# Altium PCB BLE_Gamepad_PCB.PcbDoc (part 1 of 2) (continued)
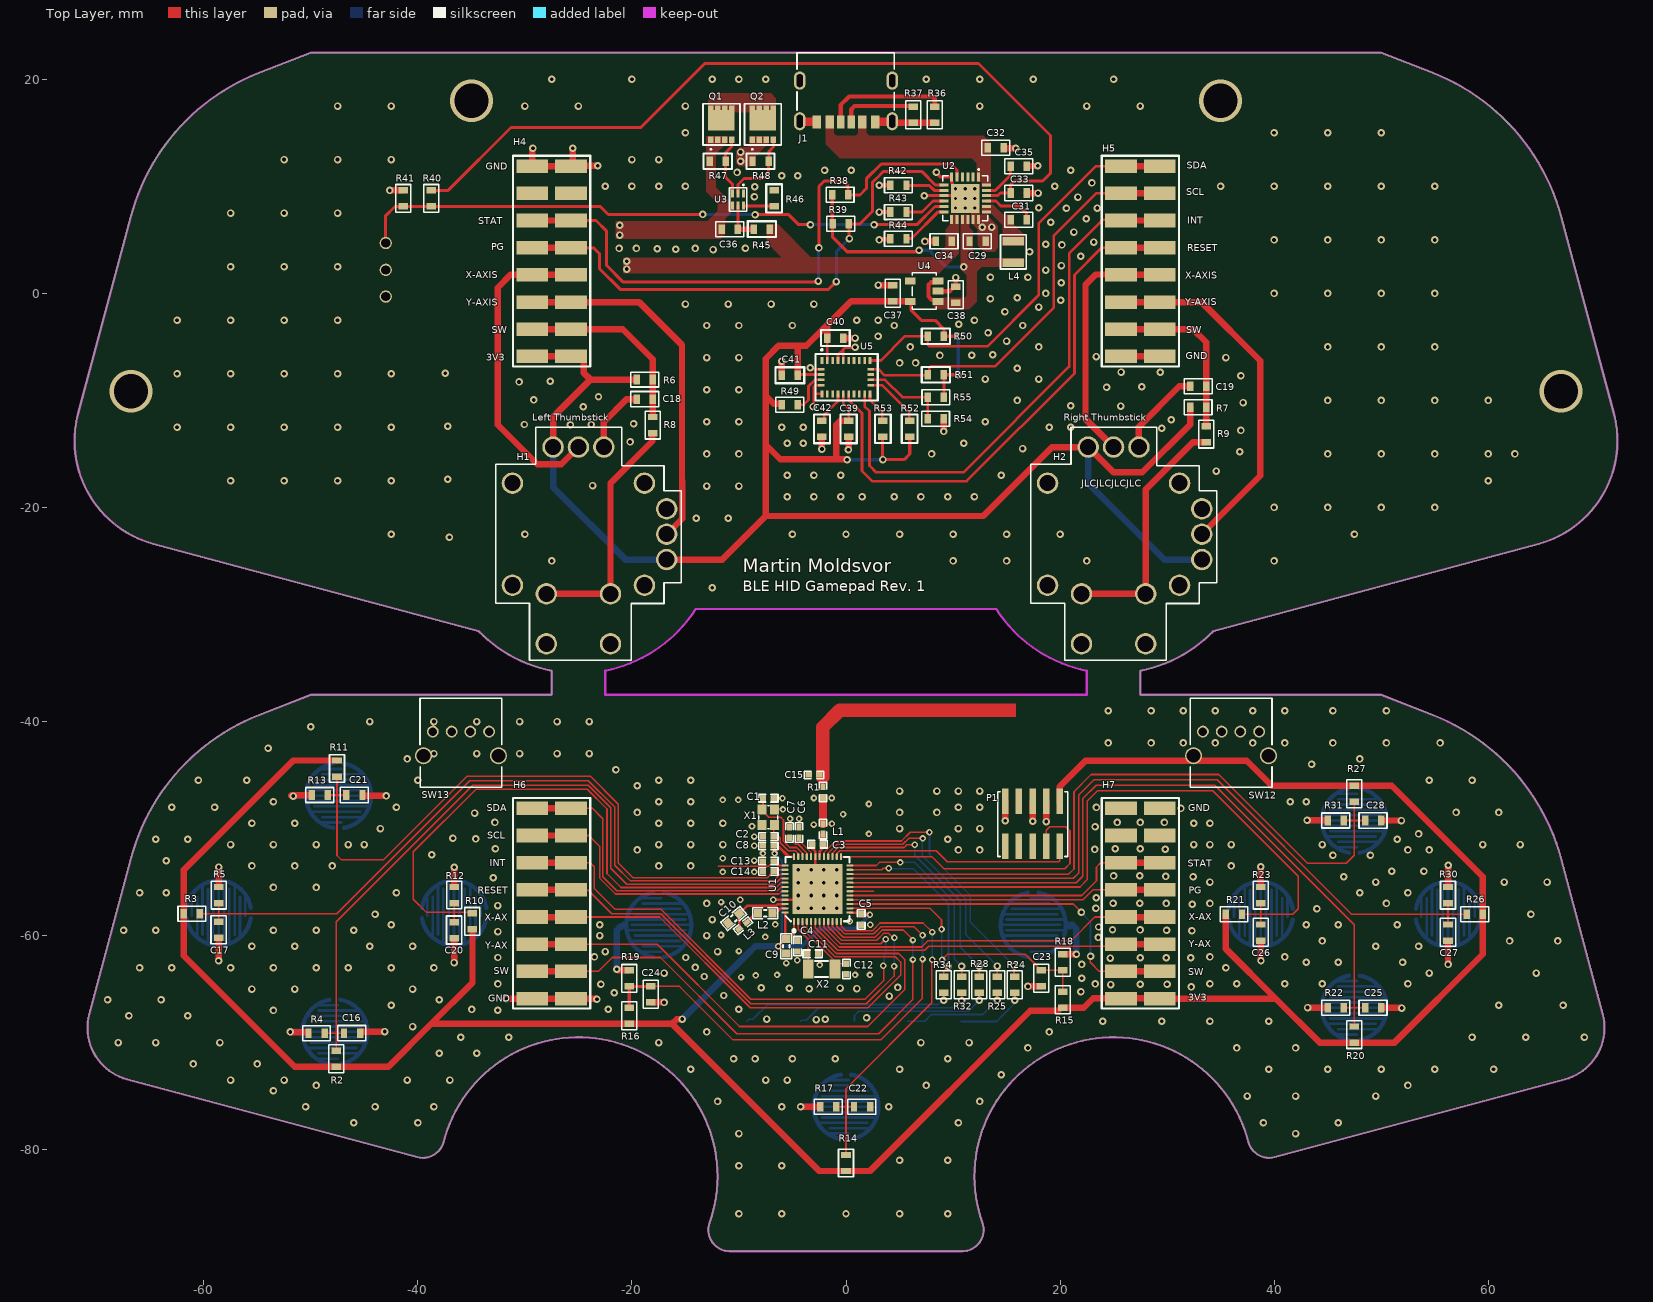
[diagram p0: Top Layer view]
## Footprints (in the part's own frame and the unit in brackets; to place one, negate y for a bottom-side part, rotate by r counter-clockwise, add the part's x,y. Pads: shape width x height; smd on the part's side, far side on the other; paste and mask are expansions set on the pad) (continued)
INDC1608X06L [mm] "Chip Inductor, 2-Leads, Body 1.6x0.8mm, IPC High Density"
  rect 0.75x0.8 smd: 1(-0.675,0) 2(0.675,0)
  silkscreen extent -1.18,-0.5 1.17,0.5, body extent -0.8,-0.48 0.8,0.47, height 0.8
"JTAG 10 pin SMD" [mm]
  rect 2.4x0.6 smd: 1(0,0) 2(0,-1.27) 3(0,-2.54) 4(0,-3.81) 5(0,-5.08) 6(4.2,-5.08) 7(4.2,-3.81) 8(4.2,-2.54) 9(4.2,-1.27) 10(4.2,0)
  silkscreen extent -0.95,-5.82 5.1,0.72, body extent -0.85,-5.72 5,0.63, height 6.13
MIC5504 [mm]
  rect 0.66x1 smd: 1(1.9,0) 2(0.95,0) 3(0,0) 4(0,-2.6) 5(1.9,-2.6)
  silkscreen extent -0.75,-2.43 2.65,-0.18, body extent -0.6,-2.9 2.5,0.3, height 1.45
"Molex Header 3" [mm]
  round 1.15 hole 0.85 mask+0.102: 1(0,0) 2(2.5,0) 3(5,0)
  silkscreen extent -2.51,-6.71 7.52,1.37, body extent -2.45,-6.6 7.45,1.3, height 4.91
QFN40P600X600X90-48N [mm] "QFN, 48-Leads, Body 6,0x6,0mm (max), Pitch 0,40mm, IPC Medium Density"
  oval 0.65x0.2 smd: 1(-3.025,2.2) 2(-3.025,1.8) 3(-3.025,1.4) 4(-3.025,1) 5(-3.025,0.6) 6(-3.025,0.2) 7(-3.025,-0.2) 8(-3.025,-0.6) 9(-3.025,-1) 10(-3.025,-1.4) 11(-3.025,-1.8) 12(-3.025,-2.2) 25(3.025,-2.2) 26(3.025,-1.8) 27(3.025,-1.4) 28(3.025,-1) 29(3.025,-0.6) 30(3.025,-0.2) 31(3.025,0.2) 32(3.025,0.6) 33(3.025,1) 34(3.025,1.4) 35(3.025,1.8) 36(3.025,2.2)
  oval 0.2x0.65 smd: 13(-2.2,-3.025) 14(-1.8,-3.025) 15(-1.4,-3.025) 16(-1,-3.025) 17(-0.6,-3.025) 18(-0.2,-3.025) 19(0.2,-3.025) 20(0.6,-3.025) 21(1,-3.025) 22(1.4,-3.025) 23(1.8,-3.025) 24(2.2,-3.025) 37(2.2,3.025) 38(1.8,3.025) 39(1.4,3.025) 40(1,3.025) 41(0.6,3.025) 42(0.2,3.025) 43(-0.2,3.025) 44(-0.6,3.025) 45(-1,3.025) 46(-1.4,3.025) 47(-1.8,3.025) 48(-2.2,3.025)
  rect 4.7x4.7 smd: 49(0,0)
  silkscreen extent -4.02,-3 3,3, body extent -3.02,-3.02 3.02,3.02, height 0.86
"SMD Header Female" [mm]
  rect 1.27x2.96 smd: 1(-8.89,-1.8) 1(-8.89,1.8) 2(-6.35,-1.8) 2(-6.35,1.8) 3(-3.81,-1.8) 3(-3.81,1.8) 4(-1.27,1.8) 4(-1.27,-1.8) 5(1.27,1.8) 5(1.27,-1.8) 6(3.81,-1.8) 6(3.81,1.8) 7(6.35,-1.8) 7(6.35,1.8) 8(8.89,-1.8) 8(8.89,1.8)
  silkscreen extent -9.83,-3.61 9.86,3.61, body extent -10.11,-2.24 10.21,2.34, height 7.51
"SMD Header Male" [mm]
  rect 1.27x2.96 smd: 1(-8.89,-1.8) 1(-8.89,1.8) 2(-6.35,-1.8) 2(-6.35,1.8) 3(-3.81,-1.8) 3(-3.81,1.8) 4(-1.27,1.8) 4(-1.27,-1.8) 5(1.27,1.8) 5(1.27,-1.8) 6(3.81,-1.8) 6(3.81,1.8) 7(6.35,-1.8) 7(6.35,1.8) 8(8.89,-1.8) 8(8.89,1.8)
  silkscreen extent -9.83,-3.61 9.86,3.61, body extent -10.2,-2.64 10.12,2.64, height 9.66
SRP2510A [mm]
  rect 0.8x2 smd: 1(0,0) 2(2,0)
  silkscreen extent -0.6,-1.2 2.6,1.2, body extent -0.29,-1.04 2.29,1.05, height 0.97
"Thumbstick 2" [mm]
  round 2 hole 1.5: 1(-2.37,8.14) 1(8.245,-2.37) 2(0,8.14) 3(8.245,0) 4(-3,-5.57) 4(3,-5.57) 5(-6.165,-4.77) 5(-6.165,4.77) 5(-3,-10.24) 5(2.37,8.14) 5(3,-10.24) 5(6.165,-4.77) 5(6.165,4.77) 5(8.245,2.37)
  silkscreen extent -7.73,-11.78 9.62,10.01, body extent -7.57,-11.65 9.7,9.63, height 19.46
TL2243 [mm]
  round 1.1 hole 0.8: 1(-2.625,-2.26) 2(-0.875,-2.26) 3(0.875,-2.26) 4(2.625,-2.26)
  round 1.6 hole 1.3: SHIELD(-3.5,0) SHIELD(3.5,0)
  silkscreen extent -3.83,-5.38 3.83,2.93, body extent -4.17,-9.06 4.17,2.75, height 9.62
USB4125 [mm]
  rect 0.7x1.2 smd: A5(-0.5,0) B5(0.5,0)
  rect 0.76x1.2 smd: A9(1.52,0) B9(-1.52,0)
  rect 0.8x1.2 smd: A12(2.75,0) B12(-2.75,0)
  oval 1.1x1.7 hole 1.2 slot 0.6 at 0 deg: SHIELD(-4.32,-0.08) SHIELD(-4.32,-3.88) SHIELD(4.32,-0.08) SHIELD(4.32,-3.88)
  silkscreen extent -4.52,-6.5 4.57,-1.12, body extent -4.44,-6.43 4.49,0.48, height 3.17
XTAL_3215 [mm] "XTAL SMD 3.2 x 1.5 mm"
  rect 1x1.8 smd: 1(-1.25,0) 2(1.25,0)
  silkscreen extent -0.6,-0.75 0.6,0.75, body extent -1.6,-0.75 1.6,0.75, height 0.81

## Part data
C1 C2 C11 C12 C13 C14: library part C0402-12p, "Capacitor, NP0, ±2%", Artikkelnr Noca=20029159, Artikkelnr Simpro=N.A., Footprint Doc=0402, LatestRevisionDate=2011-05-11, Note=50V, Part Number=C0402-12p, Pin Count=2, Published=2009-05-08, Publisher="Nordic Semiconductor"
C3: library part C0402-0.8p, "Capacitor, NP0, ±5%", Artikkelnr Noca=20029147, Artikkelnr Simpro=N.A., Footprint Doc=0402, LatestRevisionDate=2012-11-21, Note=50V, Part Number=C0402-0.8p, Pin Count=2, Published=2009-05-08, Publisher="Nordic Semiconductor"
C4 C5 C8: library part C0402-100n, "Capacitor, X7R, ±10%", Artikkelnr Noca=20039200, Artikkelnr Simpro=N.A., Footprint Doc=0402, LatestRevisionDate=2009-11-23, Note=16V, Part Number=C0402-100n, Pin Count=2, Published=2009-05-08, Publisher="Nordic Semiconductor"
C6: library part C0402-N.C., "Not mounted", Artikkelnr Noca=N.A., Artikkelnr Simpro=N.A., Footprint Doc=0402, LatestRevisionDate=2009-05-08, Note="Chip Cap", Part Number=C0402-N.C., Pin Count=2, Published=2009-05-08, Publisher="Nordic Semiconductor"
C7: library part C0402-100p, "Capacitor, NP0, ±5%", Artikkelnr Noca=20029135, Artikkelnr Simpro=N.A., Footprint Doc=0402, LatestRevisionDate=2009-05-08, Note=50V, Part Number=C0402-100p, Pin Count=2, Published=2009-05-08, Publisher="Nordic Semiconductor"
C9: library part C0603-4µ7, "Capacitor, X5R, ±10%", Artikkelnr Noca=20069060, Artikkelnr Simpro=N.A., Footprint Doc=0603, LatestRevisionDate=2009-11-23, Note=6.3V, Part Number=C0603-4µ7, Pin Count=2, Published=2009-05-08, Publisher="Nordic Semiconductor"
C10: library part C0603-1µ0, "Capacitor, X7R, ±10%", Artikkelnr Noca=20039335, Artikkelnr Simpro=N.A., Footprint Doc=0603, LatestRevisionDate=2013-06-05, Note=16V, Part Number=C0603-1µ0, Pin Count=2, Published=2009-05-08, Publisher="Nordic Semiconductor"
C15 C16 C17 C20 C21 C22 C23 C24 C25 C26 C27 C28 C29 C31 C32 C33 C34 C35 C36 C37 C38 C39 C40 C41 C42: library part Capacitor
H1 H2: library part Thumbstick
H3: "Header 2.5mm SPOX,  WTB,  RA,  F/lock,  3w", Color=Natural, Contact Resistance=20mR, Current Rating=3A, Flammability Rating="UL94 V-0", Insulation Resistance=1GR, Manufacturer 1=Molex, Max Operating Temperature=105°C, Max Voltage Rating (AC)=250V, Max Voltage Rating (DC)=250.25kV, Min Operating Temperature=-40°C, Package Quantity=20000, Supplier Part Number 1=WM18901-ND, Test Voltage=1kV, Category="Headers and Wire Housings", ComponentLink1Description=https://datasheet.ciiva.com/30128/225440022057035-pcb-headers-30128301.pdf?src-supplier=Onlinecomponents.com, ComponentLink1URL=https://datasheet.ciiva.com/30128/225440022057035-pcb-headers-30128301.pdf?src-supplier=Onlinecomponents.com, ComponentLink2Description=https://datasheet.ciiva.com/11746/0900766b80da772d-11746287.pdf?src-supplier=RSComponents, ComponentLink2URL=https://datasheet.ciiva.com/11746/0900766b80da772d-11746287.pdf?src-supplier=RSComponents, ComponentLink3Description=https://datasheet.ciiva.com/5153/0022057035-pcb-headers-158546-5153221.pdf?src-supplier=Mouser, ComponentLink3URL=https://datasheet.ciiva.com/5153/0022057035-pcb-headers-158546-5153221.pdf?src-supplier=Mouser, ComponentLink4Description=https://datasheet.ciiva.com/19461/1965939-19461711.pdf?src-supplier=Jameco, ComponentLink4URL=https://datasheet.ciiva.com/19461/1965939-19461711.pdf?src-supplier=Jameco, ComponentLink5Description=https://datasheet.ciiva.com/7167/1869086-7167685.pdf?src-supplier=Newark, ComponentLink5URL=https://datasheet.ciiva.com/7167/1869086-7167685.pdf?src-supplier=Newark, Connector Type=Header, Contact Finish - Mating=TIN, Contact Gender=Male, Contact Material=Brass, Contact Plating=Tin,Copper, Contact Shape=Circular, Contact Type="Male Pin", Depth=7.9mm, Fastening Type=Detent, Gender=Male, Glow Wire Compliant=Non-compliant, Height=4.9mm, Housing Color=Natural, Housing Material=Nylon, Insulation Color=Natural, Insulation Material=Nylon, Lead Free="Lead Free", Length=9.9mm, Manufacturer Part Number 1=22-05-7035, Max Current Rating=3A, Mount="Through Hole", Number of Circuits=3, Number of Contacts=3, Number of Poles=3, Number of Positions=3, Number of Rows=1, Orientation="Right Angle", Packaging=Bulk, Pitch=2.5mm, Pricing 1="1=0.26000, 10=0.20600, 100=0.14770, 1000=0.11562, 5000=0.10278, 10000=0.09314 (USD)", Radiation Hardening=No, REACH SVHC=Unknown, RoHS=Yes, RoHS Compliant=Yes, Series="Mini-SPOX 5268", Shrouded="Yes (With)", Stock 1=4209, Supplier 1=Digi-Key, Termination=Solder, Voltage Rating=250V, Voltage Rating (DC)=250V
J1: "Conn Rcp USB2.0 Typ C 24P SMD Ra", Manufacturer 1=GCT, Supplier Part Number 1=2073-USB4125-GF-ACT-ND, Manufacturer Part Number 1=USB4125-GF-A, Supplier 1=Digi-Key
L1: library part L0402-3n9, "High frequency chip inductor ±5%", Manufacturer=Murata, Manufacturer Part Number=LQP15MN3N9B02D, Supplier part number=490-1131-1-ND, Artikkelnr Noca=33029151, Artikkelnr Simpro=N.A., Datasheet=http://search.murata.co.jp/Ceramy/image/img/PDF/ENG/L0075S0084LQP15M.pdf, Footprint Doc=0402, LatestRevisionDate=2012-09-19, Note="High frequency chip inductor ±5%", Part Number=L0402-3n9, Pin Count=2, Published=2009-05-08, Publisher="Nordic Semiconductor", Supplier=Digi-Key
L2: library part L0603-10µ, "Chip inductor, IDC,min = 50 mA, ±20%", 2nd source part number=178-6105, Manufacturer="Taiyo Yuden", Manufacturer Part Number=LBMF1608T100K, Supplier part number=587-1714-1-ND, 2nd source Supplier=Farnell, Artikkelnr Noca=33029314, Artikkelnr Simpro=N.A., Datasheet=http://www.yuden.co.jp/ut/product/pdf/elb2_e.pdf, Footprint Doc=0603, LatestRevisionDate=2012-09-19, Note="LBMF1608T100K 10µH 80mA 0603", Part Number=L0603-10µ, Pin Count=2, Published=2010-02-24, Publisher="Nordic Semiconductor", Supplier=Digi-Key
L3: library part L0402-15n, "High frequency chip inductor ±10%", 2nd source part number=658-1328, Manufacturer="Taiyo Yuden", Manufacturer Part Number=HK100515NJ-T, Supplier part number=587-1521-1-ND, 2nd source Supplier=Farnell, Artikkelnr Noca=33029323, Artikkelnr Simpro=N.A., Datasheet=http://www.yuden.co.jp/productdata/catalog/en/mlci04_e.pdf, Footprint Doc=0402, LatestRevisionDate=2012-09-19, Note="High frequency chip inductor ±10%", Part Number=L0402-15n, Pin Count=2, Published=2010-07-12, Publisher="Nordic Semiconductor", Supplier=Digi-Key
L4: library part SRP2510A-1R0M, "BOURNS - SRP2510A-1R0M - INDUCTOR, 1UH, 3A, 20%, SHIELDED", Case Code (Imperial)=1008, Case Code (Metric)=2520, Current Rating=3A, DC Resistance (DCR)=54mR, Manufacturer 1=Bourns, Max Operating Temperature=125°C, Min Operating Temperature=-40°C, Ratings=AEC-Q200, Resistor Type=Wirewound, Saturation Current=3.5A, Self Resonant Frequency=94MHz, Supplier Part Number 1=SRP2510A-1R0MCT-ND, Test Frequency=1MHz, Tolerance=20%, Case/Package=1008, Category="Fixed Inductors", ComponentLink1Description=http://www.farnell.com/datasheets/2330876.pdf?src-supplier=Farnell, ComponentLink1URL=http://www.farnell.com/datasheets/2330876.pdf?src-supplier=Farnell, ComponentLink2Description=http://www.farnell.com/datasheets/2330876.pdf?src-supplier=Newark, ComponentLink2URL=http://www.farnell.com/datasheets/2330876.pdf?src-supplier=Newark, ComponentLink3Description=https://www.bourns.com/docs/Product-Datasheets/srp2510a.pdf?src-supplier=Digi-Key, ComponentLink3URL=https://www.bourns.com/docs/Product-Datasheets/srp2510a.pdf?src-supplier=Digi-Key, Core Material=Ferrite, Inductance=1uH, Manufacturer Part Number 1=SRP2510A-1R0M, Mount="Surface Mount", Packaging="Cut Tape", Pricing 1="1=0.53000, 10=0.46200, 25=0.42880, 50=0.36300, 100=0.33000, 250=0.31020, 500=0.27720, 1000=0.22440 (USD)", RoHS=Yes, RoHS Compliant=Yes, Shielding=Shielded, Stock 1=5280, Supplier 1=Digi-Key
P1: "SAMTEC - FTSH-105-01-F-DV-K - Pin Header, Keying Shroud, Wire-to-Board, 1.27 mm, 2 Rows, 10 Contacts, Surface Mount, FTSH Series", Color=Black, Manufacturer 1=Samtec, Manufacturer Part Number 1=FTSH-105-01-F-DV-K, Max Current Rating=1.75A, Max Operating Temperature=125°C, Min Operating Temperature=-55°C, Package Quantity=1, Supplier Part Number 1=SAM8796-ND, Category="Headers and Wire Housings", ComponentLink1Description=https://datasheet.ciiva.com/19461/2046846-19461026.pdf?src-supplier=Jameco, ComponentLink1URL=https://datasheet.ciiva.com/19461/2046846-19461026.pdf?src-supplier=Jameco, ComponentLink2Description=https://datasheet.ciiva.com/738/ftsh-1xx-xx-xxx-dv-xxx-mkt-738998.pdf?src-supplier=Digi-Key, ComponentLink2URL=https://datasheet.ciiva.com/738/ftsh-1xx-xx-xxx-dv-xxx-mkt-738998.pdf?src-supplier=Digi-Key, ComponentLink3Description=https://datasheet.ciiva.com/10245/ftsh-mt-10245273.pdf?src-supplier=Avnet, ComponentLink3URL=https://datasheet.ciiva.com/10245/ftsh-mt-10245273.pdf?src-supplier=Avnet, ComponentLink4Description=https://datasheet.ciiva.com/16657/ftsh-mt-16657371.pdf?src-supplier=Avnet+Europe, ComponentLink4URL=https://datasheet.ciiva.com/16657/ftsh-mt-16657371.pdf?src-supplier=Avnet+Europe, ComponentLink5Description=https://datasheet.ciiva.com/15195/getdatasheetpartid-133463-15195260.pdf?src-supplier=Verical, ComponentLink5URL=https://datasheet.ciiva.com/15195/getdatasheetpartid-133463-15195260.pdf?src-supplier=Verical, Connector Type="Male Pin", Contact Material=Copper,Bronze, Contact Mating Length=0.12inch, Contact Plating=Gold, Contact Type="Male Pin", Depth=3.43mm, Height=3.3mm, Housing Color=Black, Housing Material=Polymer, Lead Free="Lead Free", Length=15.2mm, Mount="Surface Mount", Number of Contacts=10, Number of Positions=10, Number of Rows=2, Orientation=Straight, Packaging=Rail/Tube, Pitch=1.27mm, Pricing 1="1=2.84000, 10=2.73100, 100=2.27590, 500=1.93452, 1000=1.65004, 5000=1.47934 (USD)", Radiation Hardening=No, RoHS=Yes, RoHS Compliant=Yes, Row Spacing=0.05inch, Series=FTSH, Stock 1=4170, Supplier 1=Digi-Key, Termination=Solder
Q1 Q2: "TEXAS INSTRUMENTS - CSD16406Q3 - N CHANNEL MOSFET, 25V, 60A, SON", Case/Package=SON, Continuous Drain Current (ID)=60A, Drain to Source Breakdown Voltage=25V, Gate to Source Voltage (Vgs)=16V, Input Capacitance=1.1nF, Manufacturer 1="Texas Instruments", Max Operating Temperature=150°C, Max Power Dissipation=2.7W, Min Operating Temperature=-55°C, Package Quantity=1, Supplier Part Number 1=296-24251-1-ND, Threshold Voltage=1.7V, Category=MOSFETs, ComponentLink1Description=https://datasheet.ciiva.com/14192/slps202a-14192882.pdf?src-supplier=Avnet, ComponentLink1URL=https://datasheet.ciiva.com/14192/slps202a-14192882.pdf?src-supplier=Avnet, ComponentLink2Description=https://datasheet.ciiva.com/6387/csd16406q3-6387192.pdf?src-supplier=Digi-Key, ComponentLink2URL=https://datasheet.ciiva.com/6387/csd16406q3-6387192.pdf?src-supplier=Digi-Key, ComponentLink3Description=https://datasheet.ciiva.com/4438/slps202a-128073-4438442.pdf?src-supplier=Mouser, ComponentLink3URL=https://datasheet.ciiva.com/4438/slps202a-128073-4438442.pdf?src-supplier=Mouser, ComponentLink4Description=https://datasheet.ciiva.com/1255/csd16406q3-1255292.pdf?src-supplier=Newark, ComponentLink4URL=https://datasheet.ciiva.com/1255/csd16406q3-1255292.pdf?src-supplier=Newark, ComponentLink5Description=https://datasheet.ciiva.com/5832/483980-5832634.pdf?src-supplier=Farnell, ComponentLink5URL=https://datasheet.ciiva.com/5832/483980-5832634.pdf?src-supplier=Farnell, ComponentLink6Description=https://datasheet.ciiva.com/5832/483980-5832635.pdf?src-supplier=Farnell, ComponentLink6URL=https://datasheet.ciiva.com/5832/483980-5832635.pdf?src-supplier=Farnell, ComponentLink7Description=https://datasheet.ciiva.com/7643/1389665-7643292.pdf?src-supplier=Element14, ComponentLink7URL=https://datasheet.ciiva.com/7643/1389665-7643292.pdf?src-supplier=Element14, ComponentLink8Description=https://datasheet.ciiva.com/14423/slps202a-14423477.pdf?src-supplier=Avnet, ComponentLink8URL=https://datasheet.ciiva.com/14423/slps202a-14423477.pdf?src-supplier=Avnet, ComponentLink9Description=https://datasheet.ciiva.com/6387/csd16406q3-6387195.pdf?src-supplier=Digi-Key, ComponentLink9URL=https://datasheet.ciiva.com/6387/csd16406q3-6387195.pdf?src-supplier=Digi-Key, ComponentLink10Description=https://datasheet.ciiva.com/6387/csd16406q3-6387198.pdf?src-supplier=Digi-Key, ComponentLink10URL=https://datasheet.ciiva.com/6387/csd16406q3-6387198.pdf?src-supplier=Digi-Key, Contact Plating=Tin,Matte, Drain to Source Voltage (Vdss)=25V, Dual Supply Voltage=25V, Element Configuration=Single, Fall Time=4.8ns, Lead Free="Contains Lead", Manufacturer Part Number 1=CSD16406Q3, Mount="Surface Mount", Nominal Vgs=1.7V, Number of Elements=1, Number of Pins=8, Packaging="Tape and Reel", Polarity=N-CHANNEL, Power Dissipation=2.7W, Pricing 1="1=1.17000, 10=0.95900, 25=0.94160, 100=0.74610, 500=0.63244, 1000=0.51518 (USD)", Radiation Hardening=No, Rds On Max=5.3mR, REACH SVHC="No SVHC", Rise Time=12.9ns, RoHS=Yes, RoHS Compliant=Yes, Series=NexFET™, Stock 1=13974, Supplier 1=Digi-Key, Termination=SMD/SMT, Turn-Off Delay Time=8.5ns, Turn-On Delay Time=7.3ns
R1 R2 R3 R4 R5 R10 R11 R12 R13 R14 R15 R16 R17 R18 R19 R20 R21 R22 R23 R24 R25 R26 R27 R28 R30 R31 R32 R34 R36 R37 R38 R39 R40 R41 R42 R43 R44 R45 R46 R47 R48 R49 R50 R51 R55: library part Resistor
SW12 SW13: "SWITCH TACTILE SPSTX2 0.05A 12V", Contact Resistance=100mR, Current Rating=50mA, Manufacturer 1=E-Switch, Max Operating Temperature=70°C, Max Voltage Rating (DC)=12V, Min Operating Temperature=-20°C, Operating Force=180gf, Package Quantity=600, Supplier Part Number 1=EG4606-ND, Voltage Rating (DC)=100V, Actuator Length=3.8mm, Category="Tactile Switches", ComponentLink1Description=https://datasheet.ciiva.com/2900/tl2243-2900969.pdf?src-supplier=Digi-Key, ComponentLink1URL=https://datasheet.ciiva.com/2900/tl2243-2900969.pdf?src-supplier=Digi-Key, ComponentLink2Description=https://datasheet.ciiva.com/13526/tl2243-26358-13526538.pdf?src-supplier=Mouser, ComponentLink2URL=https://datasheet.ciiva.com/13526/tl2243-26358-13526538.pdf?src-supplier=Mouser, ComponentLink3Description=https://datasheet.ciiva.com/31840/p010405-31840495.pdf?src-supplier=Onlinecomponents.com, ComponentLink3URL=https://datasheet.ciiva.com/31840/p010405-31840495.pdf?src-supplier=Onlinecomponents.com, ComponentLink4Description=https://datasheet.ciiva.com/16370/p010405m-16370087.pdf?src-supplier=Future+Electronics, ComponentLink4URL=https://datasheet.ciiva.com/16370/p010405m-16370087.pdf?src-supplier=Future+Electronics, Contact Material=Silver, Electrical Life=30000Cycles, Illumination Type=Non-Illuminated,Illuminated, Lead Free="Lead Free", Manufacturer Part Number 1=TL2243, Mechanical Life=30000Cycles, Mount="Through Hole", Orientation="Right Angle", Packaging=Bulk, Pricing 1="1=0.69000, 10=0.66200, 25=0.63640, 100=0.55230, 250=0.50396, 500=0.46832, 1000=0.41996, 2500=0.39450, 5000=0.36651 (USD)", RoHS=Yes, RoHS Compliant=Yes, Series=TL2243, Size=7.3mm, Stock 1=5183, Supplier 1=Digi-Key, Switch Function=Off-Mom, Switch Travel=0.25mm, Termination="PC Pin", Throw Configuration=SPST
U1: "Multi-protocol Bluetooth Low Energy, ANT and 2.4GHz proprietary system-on-chip", Manufacturer="Nordic Semiconductor", Artikkelnr Noca=N.A., Artikkelnr Simpro=N.A., Footprint Doc=QFN-48, LatestRevisionDate=2016-11-24, Manufacturer Part Number=nRF52832-QFAB, Part Number=nRF52832-QFAB, Pin Count=48, Published=2016-11-24, Publisher="Nordic Semiconductor", Supplier="Nordic Semiconductor"
U2: Manufacturer 1="Texas Instruments", Supplier Part Number 1=296-BQ25616JRTWRCT-ND, Category="Battery Management", Manufacturer Part Number 1=BQ25616JRTWR, Pricing 1="1=3.10000, 10=2.78100, 25=2.62360, 100=2.23520, 250=2.09880, 500=1.83644, 1000=1.65330 (USD)", RoHS=Yes, Stock 1=553, Supplier 1=Digi-Key
U3: "Li-Ion/Li Polymer Advanced Single-Cell Battery Protector IC Family 6-WSON -40 to 85", Case/Package=WFDFN, Manufacturer 1="Texas Instruments", Max Operating Temperature=85°C, Max Output Voltage=8V, Min Operating Temperature=-40°C, Min Supply Voltage=1.5V, Operating Supply Current=4uA, Output Current=5.5uA, Output Voltage=28V, Package Quantity=250, Supplier Part Number 1=296-37746-1-ND, Category="Battery Management", ComponentLink1Description=https://datasheet.ciiva.com/46402/1817247-46402997.pdf?src-supplier=Element14, ComponentLink1URL=https://datasheet.ciiva.com/46402/1817247-46402997.pdf?src-supplier=Element14, Contact Plating=Gold, Fault Protection="Over Current,Short Circuit,Over/Under Voltage", Height=0.8mm, Lead Free="Lead Free", Length=1.55mm, Manufacturer Part Number 1=BQ29700DSET, Max Supply Voltage=8V, Mount="Surface Mount", Number of Batteries=1, Number of Cells=1, Number of Pins=6, Packaging="Tape and Reel", Pricing 1="1=0.69000, 10=0.60500, 25=0.56840, 100=0.43090 (USD)", Radiation Hardening=No, REACH SVHC="No SVHC", RoHS=Yes, RoHS Compliant=Yes, Stock 1=86, Supplier 1=Digi-Key, Weight=0.000342oz, Width=1.55mm
U4: "MICROCHIP - MIC5504-3.3YM5-TR - LDO VOLT REG, 0.3A, 3.3V, SOT-23-5", Case/Package=SOT-23-5, Dropout Voltage=380mV, Manufacturer 1=Microchip, Max Input Voltage=5.5V, Max Operating Temperature=125°C, Max Output Current=300mA, Min Input Voltage=2.5V, Min Operating Temperature=-40°C, Nominal Output Voltage=3.3V, Operating Supply Current=42uA, Power Supply Rejection Ratio (PSRR)=60dB, Quiescent Current=38uA, Supplier Part Number 1=576-4764-1-ND, Accuracy=3%, Category="Voltage Regulators - Linear", ComponentLink1Description=https://datasheet.ciiva.com/46425/1856860-46425639.pdf?src-supplier=Element14, ComponentLink1URL=https://datasheet.ciiva.com/46425/1856860-46425639.pdf?src-supplier=Element14, Height=1.1mm, Length=2.9mm, Manufacturer Part Number 1=MIC5504-3.3YM5-TR, Mount="Surface Mount", Number of Outputs=1, Number of Pins=5, Output Current=300mA, Output Type=Fixed, Output Voltage=3.3V, Packaging="Tape and Reel", Pricing 1="1=0.13000, 25=0.09000 (USD)", REACH SVHC="No SVHC", RoHS=Yes, RoHS Compliant=No, Stock 1=29072, Supplier 1=Digi-Key, Width=1.6mm
U5: "IMU ACCEL/GYRO/MAG I2C 32BIT", Case/Package=LGA, Manufacturer 1="Hillcrest Laboratories", Max Operating Temperature=85°C, Min Operating Temperature=-40°C, Supplier Part Number 1=1888-1000-1-ND, Category="Inertial Measurement Units (IMUs)", ComponentLink1Description=http://www.hillcrestlabs.com/download/5a05f340566d07c196001ec1?src-supplier=Digi-Key, ComponentLink1URL=http://www.hillcrestlabs.com/download/5a05f340566d07c196001ec1?src-supplier=Digi-Key, Manufacturer Part Number 1=BNO080, Mount="Surface Mount", Output Type=SPI,I2C, Packaging="Tape and Reel", RoHS=No, Sensor Type=Accelerometer,Gyroscope,Magnetometer, Supplier 1=Digi-Key
X1: library part XTAL_SMD2016_32MHz_8pF_General, "XTAL SMD 2016, 32MHz, Cl=8pF, Total Tol: ±40ppm", Artikkelnr Noca=N.A., Artikkelnr Simpro=N.A., Footprint Doc=XTAL_2016, LatestRevisionDate=2016-08-19, Note="XTAL SMD 32.000MHz", Part Number=XTAL_SMD2016_32MHz_8pF_General, Pin Count=4, Published=2016-08-19, Publisher="Nordic Semiconductor"
X2: library part XTAL_SMD3215_32.768kHz_9pF_General, "XTAL SMD 3215, 32.768kHz, Cl=9pF, Total Tol: ±50ppm", Artikkelnr Noca=N.A., Artikkelnr Simpro=N.A., Footprint Doc=XTAL_3215, LatestRevisionDate=2016-08-19, Note="XTAL SMD 32.768kHz", Part Number=XTAL_SMD3215_32.768kHz_9pF_General, Pin Count=2, Published=2016-08-19, Publisher="Nordic Semiconductor"

## Free pads (board coordinates)
  rect 0.762x0.762 smd: 0(-2.159,-47.148)

## Via types
v1: diameter 0.7, hole 0.35, Top Layer to Bottom Layer, tented both sides, 642 vias
v2: diameter 0.61, hole 0.305, Top Layer to Bottom Layer, tented both sides, 58 vias
v3: diameter 0.66, hole 0.33, Top Layer to Bottom Layer, tented both sides, 16 vias
v4: diameter 0.4, hole 0.3, Top Layer to Bottom Layer, 9 vias
v5: diameter 4, hole 3.2, Top Layer to Bottom Layer, 4 vias

## Nets (pads, with @x,y where several pads share a name; then routed paths per layer and width w, separated by ;. In a path a pad name is that pad's centre, name@x,y a point inside that pad or via, vN(x,y) a via of type N, cw(c..) or ccw(c..) an arc to the next point about the centre after c; other vN are vias at no path point)
3V3: C37.2 C39.2 C40.1 C41.2 H1.1 H2.1 H4.1 R6.2 R7.2 R49.2 R50.2 R51.2 R52.2 R53.2 R54.2 U4.5 U5.3 U5.10 U5.28 | length 190.3
  Top Layer w0.25: C41.2@-4.5,-7.65 -4.425,-7.575 -2.475,-7.575 U5.3@-2.312,-7.575 ; U5.28@-1.75,-6.263 C40.1@-1.75,-4.175 ; U5.10@-0.25,-9.388 -0.25,-10.275 0.25,-10.775 C39.2@0.25,-11.9
  Top Layer w0.3: R53.2@3.45,-13.4 3.4,-13.45 3.4,-15.475 3.455,-15.53 5.425,-15.53 5.95,-15.005 R52.2@5.95,-13.4 ; U4.5@6.053,-0.739 6.083,-0.769 6.083,-1.558 7.05,-2.525 8.325,-2.525 9.15,-3.35 R50.2@9.15,-4 v1@10.275,-4 ; R54.2@9.15,-9.7 9.15,-9.374 9.15,-7.75 R51.2@9.15,-7.6 v1(10.49,-7.6) v1@10.525,-7.6
  Top Layer w0.6: H4.1@-29.3,-5.89 H4.1@-25.7,-5.89 -24.855,-5.89 -24.52,-6.225 -24.52,-7.405 -23.875,-8.05 ; H1.1@-27.37,-14.36 -27.37,-11.545 -23.875,-8.05 ; R6.2@-19.575,-8.05 -23.875,-8.05 ; H1.1@-16.755,-24.87 -11.57,-24.87 -7.5,-20.8 ; R49.2@-6,-10.4 -6,-10.314 -6.736,-10.314 -7.5,-9.55 ; C41.2@-4.5,-7.65 -4.5,-4.9 ; C40.1@-1.75,-4.175 -1.75,-2.95 ; v1(0.1,-15.55) 0.05,-15.5 -0.9,-15.5 ; C39.2@0.25,-11.9 -0.525,-11.9 -0.9,-12.275 -0.9,-15.5 ; U4.5@6.053,-0.739 6.039,-0.725 C37.2@4.375,-0.725 0.475,-0.725 -1.75,-2.95 ; R7.2@32.15,-10.625 32.15,-12.25 27.675,-16.725 24.995,-16.725 H2.1@22.63,-14.36 19.265,-14.36 12.825,-20.8 -7.5,-20.8 ; -7.5,-20.8 -7.5,-14.15 ; -7.5,-14.15 -7.5,-9.55 ; -7.5,-14.15 -6.15,-15.5 -0.9,-15.5 ; -7.5,-9.55 -7.5,-6.1 -6.3,-4.9 -4.5,-4.9 ; -4.5,-4.9 -3.7,-4.9 -1.75,-2.95
  Bottom Layer w0.25: v1(0.1,-15.55) v1@0.112,-15.538 ; v1@3.438,-15.538 v1(3.45,-15.525)
  Bottom Layer w0.3: v1@0.112,-15.538 v1@3.438,-15.538 ; v1(10.49,-7.6) 10.495,-7.595 10.495,-4.005 v1(10.5,-4)
  Bottom Layer w0.6: H1.1@-27.37,-14.36 -27.37,-18.105 -20.605,-24.87 H1.1@-16.755,-24.87 ; H2.1@22.63,-14.36 22.63,-17.755 29.745,-24.87 H2.1@33.245,-24.87
ANT: C15.2 R1.2 | length 22.7
  Top Layer w1.27: -2.161,-45.216 -2.161,-40.527 -0.602,-38.967 15.24,-38.967
BAT: C36.2 R45.1 U3.5 | length 3.7
  Top Layer w0.28: C36.2@-10.111,6 -10.086,6.025 U3.5@-10.086,8.2
  Top Layer w0.5: C36.2@-10.111,6 -9.361,6 R45.1@-8.611,6
BOOTN: R49.1 U5.4 | length 3.9
  Top Layer w0.25: R49.1@-4.5,-10.4 -3.95,-10.4 -3.5,-9.95 -3.5,-8.675 -2.9,-8.075 -2.548,-8.075 U5.4@-2.312,-8.075
BTST: C31.1 U2.21 | length 4.9
  Top Layer w0.28: U2.21@13.114,8.625 14.014,8.625 14.489,8.15 16.214,8.15 16.864,7.5 16.864,6.9 C31.1@16.889,6.875
CC1: J1.A5 R37.2 | length 7.1
  Top Layer w0.4: J1.A5@0.5,16 0.5,17.2 0.8,17.5 6.25,17.5 R37.2@6.3,17.45
CC2: J1.B5 R36.2 | length 11.6
  Top Layer w0.4: J1.B5@-0.5,16 -0.5,17.6 0.3,18.4 8.1,18.4 8.3,18.2 R36.2@8.3,17.45
CELL-: C36.1 H3.2 Q1.1 R47.1 U3.4
  other v1: -21.15,5.45 -21.15,6.375
COUT: Q2.4 R48.2 U3.2 | length 7.4
  Top Layer w0.28: U3.2@-10.086,9.35 -10.086,10.175 -9.536,10.725 -7.761,10.725 -7.236,11.25 R48.2@-7.236,12.35
  Top Layer w0.3: R48.2@-7.236,12.35 -7.186,12.4 -7.186,13.289 -6.775,13.7 -6.775,14.325 Q2.4@-6.8,14.35
DEC1: C4.1 U1.1 | length 1.9
  Top Layer w0.203: U1.1@-4.861,-58.682 -4.861,-60.186 C4.1@-4.56,-60.487
DEC2: C6.2 U1.32 | length 2.2
  Top Layer w0.152: C6.2@-4.388,-50.856 -4.388,-51.119 -3.261,-52.246 U1.32@-3.261,-52.632
DEC3: C7.1 U1.33 | length 2.4
  Top Layer w0.152: C7.1@-5.207,-50.982 -4.723,-51.466 -4.472,-51.466 -3.661,-52.277 U1.33@-3.661,-52.632
DEC4: C10.2 L3.1 U1.46 | length 6
  Top Layer w0.229: L3.1@-9.99,-59.391 C10.2@-9.99,-57.983 ; C10.2@-9.972,-57.966 -9.238,-57.232 -6.552,-57.232 -6.378,-57.057 U1.46@-5.717,-57.057
DOUT: Q1.4 R47.2 U3.3 | length 5.5
  Top Layer w0.28: Q1.4@-10.686,14.35 -10.686,13.725 -11.236,13.175 R47.2@-11.236,12.35 -11.236,10.825 -10.586,10.175 U3.3@-10.586,9.35
ENV_SCL: R53.1 U5.15 | length 3
  Top Layer w0.25: U5.15@2.25,-9.4 2.25,-9.673 2.25,-9.95 3.4,-11.1 R53.1@3.4,-11.941
ENV_SDA: R52.1 U5.16 | length 5.5
  Top Layer w0.25: U5.16@2.312,-8.575 3.375,-8.575 5.9,-11.1 5.9,-11.725 6.025,-11.85 R52.1@6.1,-11.85